# Altium PCB novena_evt1_a.PcbDoc (part 8 of 12) (continued)
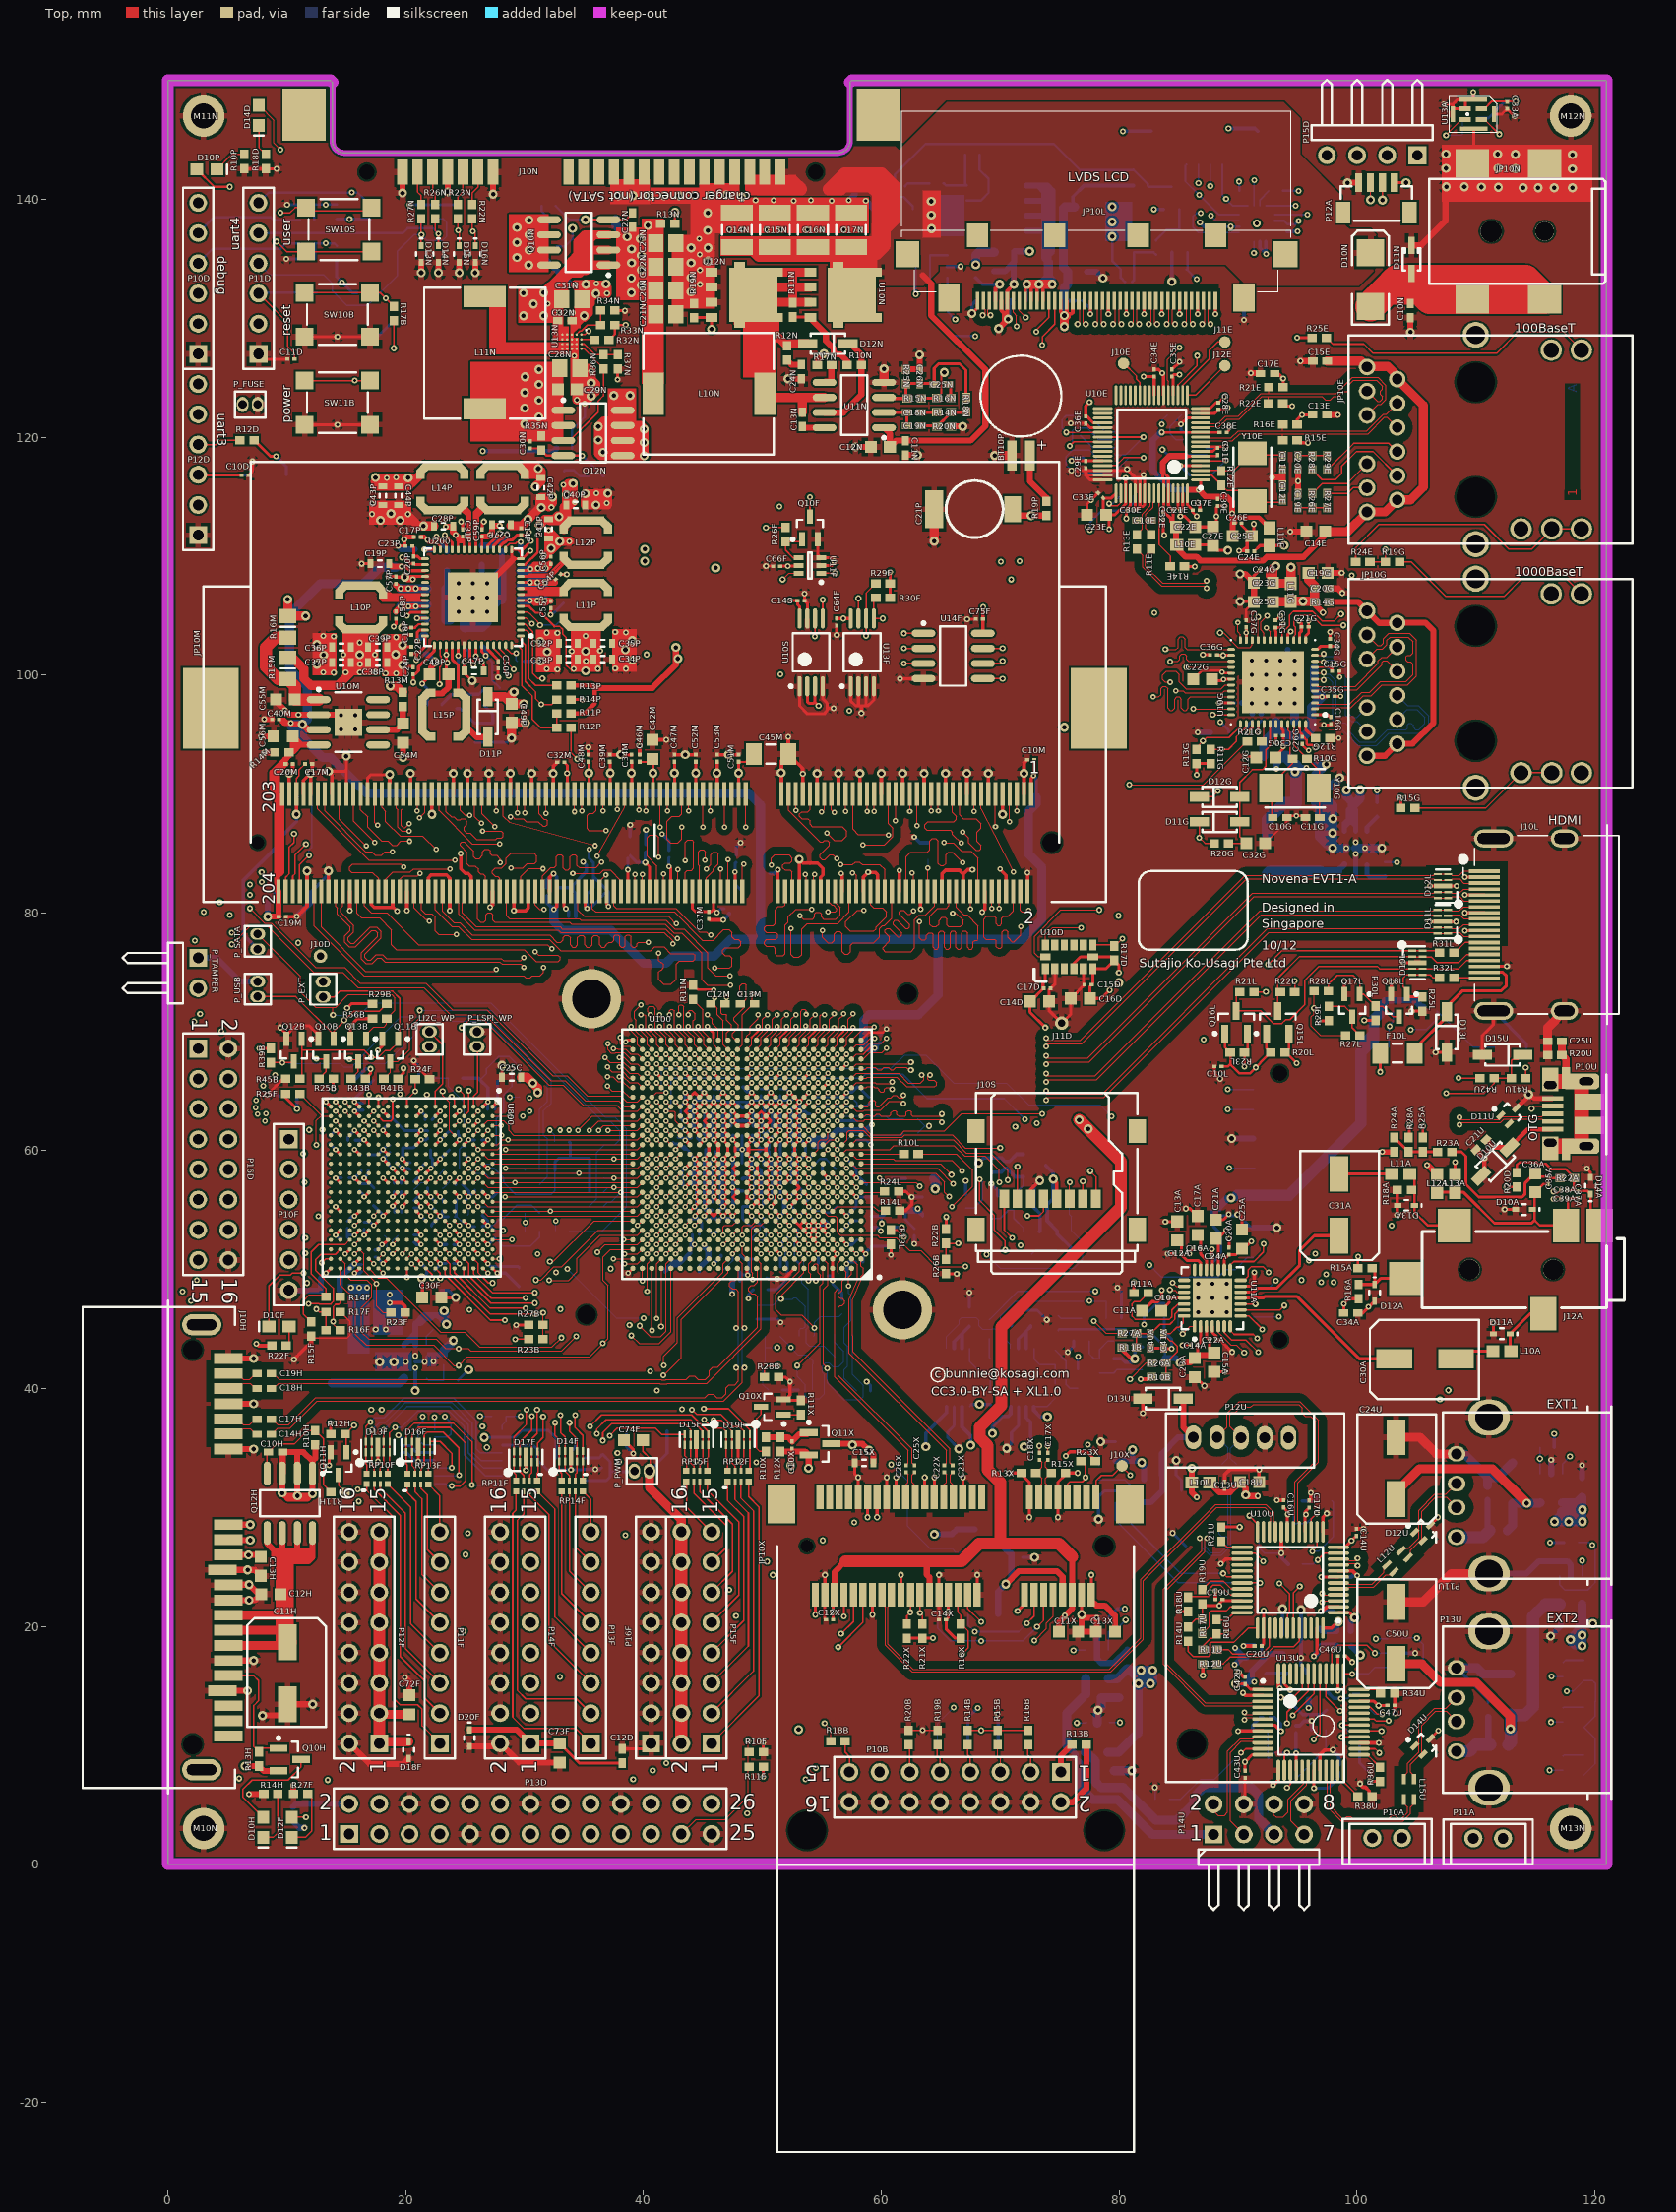
[diagram p0: Top view]
## Nets (pads, with @x,y where several pads share a name; then routed paths per layer and width w, separated by ;. In a path a pad name is that pad's centre, name@x,y a point inside that pad or via, vN(x,y) a via of type N, cw(c..) or ccw(c..) an arc to the next point about the centre after c; other vN are vias at no path point) (continued)
JTAG_JTCK: P10B.9 R19B.2 U100.H5 | length 92.4
  Top w0.102: U100.H5@55.1,55.7 v2(55.5,55.3)
  Top w0.127: R19B.2@64.75,10.05 64.7,10 64.7,9.1 64.94,8.86 P10B.9@64.94,7.75
  L4 w0.127: v2(55.5,55.3) 59.35,55.3 60.625,54.025 65.257,54.025 66.232,53.05 66.625,53.05 67.6,52.075 67.6,51.55 69.76,49.39 69.76,44.36 62.798,37.398 62.798,35.1 63.675,34.223 68.275,34.223 70.248,32.25 70.248,27.175 72.423,25 72.423,23 70.573,21.15 70.573,16.352 76.575,10.35 76.575,6.875 75.95,6.25 74.3,6.25 73.6,5.55 73.6,4.125 72.75,3.275 67.25,3.275 66.225,4.3 66.225,6.465 P10B.9@64.94,7.75
JTAG_JTDI: P10B.5 R15B.1 U100.G5 | length 77.1
  Top w0.102: U100.G5@55.1,54.9 55.5,54.5 56.15,54.5 56.3,54.35 56.3,53.125 56.525,52.9 59.675,52.9 59.875,52.7 61.275,52.7 62.375,51.6 63.325,51.6 64.675,50.25 v1(67.075,50.25) ; R15B.1@69.8,10.05 69.8,9.075 70.02,8.855 P10B.5@70.02,7.75
  L4 w0.102: v1(67.075,50.25) 69,48.325 69,44.675 62.038,37.713 62.038,34.785 63.36,33.463 67.96,33.463 69.488,31.935 69.488,26.86 71.663,24.685 71.663,23.315 69.813,21.465 69.813,16.037 73.8,12.05 73.8,7.4 73.15,6.75 71.02,6.75 P10B.5@70.02,7.75
JTAG_JTDO: P10B.13 U100.G6 | length 91.2
  Top w0.102: U100.G6@54.3,54.9 v2(54.7,54.5)
  L4 w0.127: v2(54.7,54.5) 55.375,54.5 57.175,52.7 61.275,52.7 62.25,51.725 66.775,51.725 69.337,49.163 69.337,44.535 62.375,37.573 62.375,34.925 63.5,33.8 68.1,33.8 69.825,32.075 69.825,27 72,24.825 72,23.175 70.15,21.325 70.15,16.177 76.225,10.102 76.225,6.875 75.975,6.625 73.825,6.625 73.625,6.425 67.125,6.425 66.3,7.25 66.3,8.15 65.425,9.025 61.135,9.025 P10B.13@59.86,7.75
JTAG_JTMS: P10B.7 R14B.1 U100.C3 | length 62.5
  Top w0.102: U100.C3@56.7,51.7 v2(57.1,51.3)
  Top w0.127: R14B.1@67.25,10.05 67.25,9.225 67.48,8.995 P10B.7@67.48,7.75
  L4 w0.127: v2(57.1,51.3) 57.825,50.575 63.95,50.575 65.875,48.65 67.562,48.65 68.262,47.95 68.262,44.981 61.3,38.019 61.3,33.675 69.05,25.925 69.05,17.575 67.48,16.005 P10B.7@67.48,7.75
JTAG_NRST: P10B.15 R18B.1 | length 2.8
  Top w0.127: R18B.1@56.95,10.35 56.95,9.425 57.32,9.055 P10B.15@57.32,7.75
JTAG_RTCK: P10B.11 R20B.2 | length 2.3
  Top w0.127: R20B.2@62.3,10.05 62.4,9.95 P10B.11@62.4,7.75
KEY_COL1: P16D.8 U100.U7 | length 162.6
  Top w0.102: U100.U7@53.5,62.9 v2(53.9,62.5)
  L4 w0.102: P16D.8@5.08,60.96 4.12,60 2.075,60 1.146,60.929 1.146,71.146 2.125,72.125 3.6,72.125 5.912,74.437 5.912,75.825 6.325,76.238 6.325,78.85 9.825,82.35 9.825,85.293 11.607,87.075 11.9,87.075 20.35,95.525 29.296,95.525 30.359,94.462 31.616,94.462 33.841,96.687 37.391,96.687 38.579,97.875 58.325,97.875 60.76,95.44 73.856,95.44 78.265,91.031 78.265,83.894 77.5,83.129 77.5,80.775 77.925,80.35 77.925,79.825 78.1,79.65 79.05,79.65 79.75,80.35 80.15,80.35 80.5,80 80.5,79.225 80.225,78.95 79.825,78.95 77.954,77.079 76.8,77.079 60.671,60.95 57.175,60.95 56.744,60.519 55.244,60.519 54.319,61.444 54.319,62.081 v2(53.9,62.5)
KEY_COL2: P16D.10 U100.W6 | length 139
  Top w0.102: U100.W6@54.3,64.5 v2(54.7,64.9)
  L4 w0.102: P16D.10@5.08,58.42 6.095,58.42 6.84,59.165 6.84,68.965 9.605,71.73 9.605,77.155 10.595,78.145 11.67,78.145 15.368,81.843 15.368,86.493 17.957,89.082 21.207,89.082 22.768,90.643 22.768,91.593 23.607,92.432 32.457,92.432 34.682,94.657 38.232,94.657 39.42,95.845 52.074,95.845 54.509,93.41 73.015,93.41 76.235,90.19 76.235,84.735 75.47,83.97 75.47,80.42 66.215,71.165 63.84,71.165 57.956,65.281 55.081,65.281 v2(54.7,64.9)
KEY_COL3: P16D.12 U100.U5 | length 155.3
  Top w0.102: U100.U5@55.1,62.9 v2(55.5,63.3)
  L4 w0.102: P16D.12@5.08,55.88 3.685,57.275 2.25,57.275 1.45,58.075 1.45,58.875 2.372,59.797 5.697,59.797 6.175,60.275 6.175,61.575 5.65,62.1 4.6,62.1 3.869,62.831 3.869,70.469 4.925,71.525 8.325,71.525 8.845,72.045 8.845,77.47 10.28,78.905 11.355,78.905 14.608,82.158 14.608,86.808 17.642,89.842 20.892,89.842 22.008,90.958 22.008,91.908 23.292,93.192 32.142,93.192 34.367,95.417 37.917,95.417 39.105,96.605 52.389,96.605 54.824,94.17 73.33,94.17 76.995,90.505 76.995,84.42 76.23,83.655 76.23,80.105 66.53,70.405 64.155,70.405 58.4,64.65 58.4,63.55 57.769,62.919 55.881,62.919 v2(55.5,63.3)
KEY_COL4: P16D.14 SW10S.1 SW10S.2 U100.T6 | length 239.8
  Top w0.102: U100.T6@54.3,62.1 v2(54.7,62.5)
  Top w0.127: v1(9.125,136.45) 9.975,135.6 SW10S.1@11.625,135.6 SW10S.2@17.125,135.6
  L4 w0.102: v1(2.7,71.5) 3.262,71.5 6.65,74.888 6.65,78.85 10.15,82.35 10.15,85.175 11.275,86.3 12.94,86.3 17.302,90.662 20.552,90.662 21.188,91.298 21.188,92.248 22.952,94.012 31.802,94.012 34.027,96.237 37.577,96.237 38.765,97.425 52.729,97.425 53.16,96.994 55.119,96.994 55.75,97.625 58.075,97.625 60.71,94.99 73.67,94.99 77.815,90.845 77.815,84.08 77.05,83.315 77.05,80.589 77.225,80.414 77.225,78.14 60.585,61.5 55.95,61.5 55.769,61.319 55.306,61.319 55.1,61.525 55.1,61.925 54.7,62.325 v2(54.7,62.5)
  L8 w0.127: P16D.14@5.08,53.34 3.77,54.65 1.925,54.65 1.175,55.4 1.175,69.625 1.625,70.075 2.375,70.075 2.7,70.4 v1(2.7,71.5) 2.7,71.525 2.375,71.85 2.15,71.85 1.175,72.825 1.175,78.875 1.65,79.35 1.65,109.375 1.075,109.95 1.075,125.125 1.95,126 3.675,126 4.85,127.175 4.85,134.525 6.139,135.814 8.489,135.814 v1(9.125,136.45)
KEY_ROW1: P16D.7 U100.U6 | length 146.1
  Top w0.102: U100.U6@54.3,62.9 v2(54.7,63.3)
  L4 w0.102: P16D.7@2.54,60.96 3.665,62.085 3.665,70.553 4.841,71.728 8.128,71.728 8.562,72.162 8.562,77.587 10.163,79.188 11.238,79.188 14.325,82.275 14.325,86.925 17.525,90.125 20.775,90.125 21.725,91.075 21.725,92.025 23.175,93.475 32.025,93.475 34.25,95.7 37.8,95.7 38.988,96.888 52.506,96.888 54.941,94.453 73.447,94.453 77.278,90.622 77.278,84.303 76.513,83.538 76.513,79.988 66.647,70.122 64.272,70.122 58.825,64.675 58.825,63.125 57.8,62.1 55.361,62.1 55.1,62.361 55.1,62.9 v2(54.7,63.3)
KEY_ROW2: P16D.9 U100.W4 | length 140.7
  Top w0.102: U100.W4@55.9,64.5 v2(56.3,64.9)
  L4 w0.102: P16D.9@2.54,58.42 3.62,59.5 5.95,59.5 6.575,60.125 6.575,69.075 9.34,71.84 9.34,77.265 10.485,78.41 11.56,78.41 15.103,81.953 15.103,86.603 17.847,89.347 21.097,89.347 22.503,90.753 22.503,91.703 23.497,92.697 32.347,92.697 34.572,94.922 38.122,94.922 39.31,96.11 52.184,96.11 54.619,93.675 73.125,93.675 76.5,90.3 76.5,84.625 75.735,83.86 75.735,80.31 66.325,70.9 63.95,70.9 57.569,64.519 56.681,64.519 v2(56.3,64.9)
KEY_ROW3: P16D.11 U100.T7 | length 174.9
  Top w0.102: U100.T7@53.5,62.1 v2(53.9,61.7)
  L4 w0.102: P16D.11@2.54,55.88 0.9,57.52 0.9,71.5 1.775,72.375 3.075,72.375 4.2,73.5 4.2,74.975 6.075,76.85 6.075,78.975 9.45,82.35 9.45,86.55 10.35,87.45 11.113,87.45 11.941,88.278 11.953,88.278 20.325,96.65 31.5,96.65 32.1,97.25 36.8,97.25 40.125,100.575 57.95,100.575 62.632,95.893 74.157,95.893 79.425,90.625 79.425,82.375 81.125,80.675 81.125,78.75 80.725,78.35 79.95,78.35 77.975,76.375 76.925,76.375 72.775,72.225 72.775,64.3 73.475,63.6 73.875,63.6 74.125,63.35 74.125,62.6 72.712,61.188 65.187,61.188 62.119,58.119 56.656,58.119 55.056,59.719 54.456,59.719 53.519,60.656 53.519,61.319 v2(53.9,61.7)
KEY_ROW4: P16D.13 SW10S.3 SW10S.4 U100.V5 | length 235.6
  Top w0.102: U100.V5@55.1,63.7 v2(55.5,64.1)
  Top w0.127: v1(9.475,138.875) 10.275,138.875 10.7,139.3 SW10S.3@11.625,139.3 11.9,139.025 16.85,139.025 SW10S.4@17.125,139.3
  L3 w0.102: v1(2.2,70.85) 3,70.05 v1(4.5,70.05)
  L4 w0.102: v1(4.5,70.05) 7.175,70.05 9.075,71.95 9.075,77.375 10.375,78.675 11.45,78.675 14.838,82.063 14.838,86.713 17.737,89.612 20.987,89.612 22.238,90.863 22.238,91.813 23.387,92.962 32.237,92.962 34.462,95.187 38.012,95.187 39.2,96.375 52.294,96.375 54.728,93.94 73.235,93.94 76.765,90.41 76.765,84.515 76,83.75 76,80.2 66.435,70.635 64.06,70.635 57.95,64.525 57.95,64.15 57.519,63.719 55.881,63.719 v2(55.5,64.1)
  L8 w0.127: v1@2.2,70.675 1.925,70.4 1.45,70.4 0.825,69.775 0.825,55.055 P16D.13@2.54,53.34 ; v1(2.2,70.85) 0.825,72.225 0.825,79.125 1.2,79.5 1.2,109.365 0.75,109.815 0.75,127.3 1.7,128.25 2.825,128.25 4.325,129.75 4.325,137.05 5.514,138.239 8.839,138.239 v1(9.475,138.875)
LCD_BL_ON: JP10L.35 U100.M3 | length 129.4
  Top w0.102: U100.M3@56.7,58.9 v2(57.1,58.5) ; JP10L.35@71.1,131.475 71.1,130.475 71.375,130.2 v1(71.375,129.325)
  L3 w0.102: v1(70.05,109.525) 70.625,110.1 70.625,120.074 74.1,123.549 74.1,128.675 73.45,129.325 v1(71.375,129.325)
  L4 w0.102: v2(57.1,58.5) 61.4,58.5 64.325,61.425 71.625,61.425 71.975,61.775 71.975,62.025 71.6,62.4 71.6,62.9 71.95,63.25 72.45,63.25 73.075,62.625 v1(73.075,62.3)
  L7 w0.127: v1@70.163,109.387 70.725,108.825 71.875,108.825 77.3,103.4 86.5,103.4 87.45,102.45 94.675,102.45 95.525,101.6 95.525,94.825 93.8,93.1 91.875,93.1 78.914,80.139 78.914,76.614 78.114,75.814 78.114,62.436 78.325,62.225 78.325,61.65 77.7,61.025 74.35,61.025 v1(73.075,62.3)
LCD_BL_VDD: C17L.1 C18L.1 JP10L.30 JP10L.31 JP10L.32 JP10L.33 Q11L.5 Q11L.6 Q11L.7 Q11L.8 | length 42.5
  Top w0.305: JP10L.33@72.1,131.475 72.1,132.7 v3(72.25,132.85) 72.6,132.5 JP10L.32@72.6,131.475 ; JP10L.31@73.1,131.475 73.1,132.675 v3(73.275,132.85) 73.6,132.525 JP10L.30@73.6,131.475
  Top w0.762: v3(72.25,132.85) v3(73.275,132.85) v3(74.375,132.85)
  Bot w0.305: C17L.1@72.2,131.475 72.2,132.8 v3(72.25,132.85)
  Bot w0.508: Q11L.8@72.2,137.345 73.725,137.345 ; Q11L.7@72.2,138.615 73.725,138.615 ; Q11L.6@72.2,139.885 73.725,139.885 ; Q11L.5@72.2,141.155 Q11L.5@73.175,141.155 ; Q11L.5@73.175,141.155 73.495,141.155 ; Q11L.5@73.175,141.155 73.725,140.605 73.725,139.885 ; 73.495,141.155 73.97,141.155 74.4,140.725 74.4,137.875 74.375,137.85 74.375,135.6 C18L.1@74.05,135.275 ; 73.495,141.155 74.05,140.6 74.05,139.825 ; 73.725,137.345 74.005,137.345 74.05,137.3 ; 73.725,137.345 73.725,138.615 ; 73.725,137.345 73.725,135.025 C18L.1@74.05,134.7 C18L.1@74.05,135.275 ; 73.725,138.615 74.035,138.615 74.05,138.6 ; 73.725,138.615 73.725,139.885 ; 73.725,139.885 73.99,139.885 74.05,139.825 ; C18L.1@74.05,135.275 74.05,137.3 ; 74.05,137.3 74.05,138.6 ; 74.05,138.6 74.05,139.825
  Bot w0.762: v3(72.25,132.85) v3(73.275,132.85) ; C18L.1@74.05,134.7 C18L.1@74.05,133.45 ; v3(74.375,132.85) v3@73.45,132.85 ; v3(73.275,132.85) v3@73.45,132.85 ; v3(73.275,132.85) 73.35,132.925 v3@73.525,132.925 ; v3@73.45,132.85 v3@73.525,132.925 ; v3@73.525,132.925 C18L.1@74.05,133.45 ; v3@73.525,132.925 74.325,132.925 74.325,133.175 C18L.1@74.05,133.45
LCD_PWR_CTL: Q12L.1 R18L.2 U100.M1 | length 137.2
  Top w0.102: U100.M1@58.3,58.9 64.975,58.9 v1(65.9,57.975)
  L3 w0.127: v1(71.625,109.575) 71.275,109.925 71.275,119.805 74.75,123.28 74.75,131.025 75.525,131.8 85.025,131.8 v1(86.525,133.3)
  L7 w0.127: v1(65.9,57.975) 65.9,58.325 67.35,59.775 67.65,59.775 68.825,60.95 70.675,60.95 71.025,60.6 77.775,60.6 78.775,61.6 78.775,62.575 78.45,62.9 78.45,75.675 79.25,76.475 79.25,80 92.014,92.764 93.939,92.764 95.861,94.686 95.861,101.739 94.814,102.786 87.589,102.786 86.639,103.736 77.439,103.736 v1@71.738,109.437
  Bot w0.203: Q12L.1@85.75,135.55 85.75,134.15 R18L.2@85.7,134.1 86.5,133.3 v1(86.525,133.3)
LCD_VCC_SW: C12L.1 C13L.1 JP10L.25 JP10L.26 JP10L.27 Q10L.5 Q10L.6 Q10L.7 Q10L.8 R17L.2 | length 24.6
  Top w0.305: JP10L.27@75.1,131.475 75.1,130.525 v3(75.4,130.225) v3@75.55,130.375 ; 75.4,129.7 75.8,130.1 75.8,130.375 ; JP10L.26@75.6,131.475 75.6,130.425 v3@75.55,130.375 ; JP10L.25@76.1,131.475 76.1,130.475 76,130.375 75.8,130.375 ; v3@75.55,130.375 75.8,130.375
  Top w0.762: v3(75.4,129.3) 75.4,129.7 v3(75.4,130.225)
  Bot w0.305: 75.4,131.4 75.475,131.475 C13L.1@76.3,131.475 ; Q10L.8@76.25,139.355 76.125,139.48 76.125,140.225 77.05,141.15 R17L.2@81.2,141.15
  Bot w0.762: v3(75.4,129.3) v3(75.4,130.225) 75.4,131.4 75.4,132.575 75.7,132.875 C12L.1@75.7,133.9 75.325,134.275 75.325,139.25 75.45,139.375 75.47,139.355 Q10L.8@76.25,139.355
LCD_XM: P14D.1 P15D.1 U11D.16 | length 30.4
  L3 w0.152: v1(86.725,140.375) 86.65,140.375 86,141.025 86,141.575 90.25,145.825 102.975,145.825 P15D.1@105.1,143.7
  Bot w0.152: P14D.1@85.675,142.925 85.575,142.825 85.575,141.525 v1(86.725,140.375) 88.4,138.7 U11D.16@90.1,138.7
LCD_XP: P14D.3 P15D.3 U11D.13 | length 27
  L3 w0.152: v1(87.675,141.125) 87.675,140.2 86.85,139.375 v1(86.85,138.825) 87.65,138.025 88.375,138.025 88.375,138.05 90.725,140.4 90.725,142.125 91.055,142.455 98.775,142.455 P15D.3@100.02,143.7
  Bot w0.152: v1(86.85,138.825) 86.5,138.825 86.225,138.55 86.225,137.65 86.675,137.2 U11D.13@90.1,137.2 ; v1(87.675,141.125) P14D.3@87.675,142.925
LCD_YM: P14D.4 P15D.4 U11D.1 | length 15.9
  L3 w0.152: v1(89,140.05) 89,141.325 91.375,143.7 P15D.4@97.48,143.7
  Bot w0.152: P14D.4@88.675,142.925 88.675,140.35 89.575,139.45 U11D.1@90.85,139.45
LCD_YP: P14D.2 P15D.2 U11D.15 | length 26.5
  L3 w0.152: v1(86.675,141.375) 87.025,141.725 87.65,141.725 ; v1(87.725,138.625) 87.725,139.1 88.325,139.7 88.325,141.4 88,141.725 87.65,141.725 ; P15D.2@102.56,143.7 100.96,145.3 90.55,145.3 87.65,142.4 87.65,141.725
  Bot w0.152: v1(86.675,141.375) P14D.2@86.675,142.925 ; v1(87.725,138.625) 88.15,138.2 U11D.15@90.1,138.2
LVDS0_CLK_N: JP10L.11 U100.V4 | length 83.6
  Top w0.083: U100.V4@55.9,63.7 v2(56.3,64.1) ; v1@83.003,129.512 JP10L.11@83.003,130.757
  L8 w0.089: v2(56.3,64.1) 56.705,63.695 57.175,63.695 57.97,63.695 58.558,64.283 59.237,64.962 59.638,65.363 60.258,65.983 60.542,66.267 61.092,66.817 62.35,68.075 63.757,68.075 73.475,77.793 73.475,83.7 72.955,84.22 72.955,88.338 73.75,89.133 73.75,95.005 73.223,95.533 72.306,95.533 71.972,95.866 71.972,96.304 72.306,96.638 73.223,96.638 73.75,97.165 73.75,104.533 83,113.783 v1@83,129.5
  other v1: 83.2,129.5
LVDS0_CLK_P: JP10L.12 U100.V3 | length 83.6
  Top w0.083: U100.V3@56.7,63.7 v2(57.1,64.1) ; v1@82.698,129.512 JP10L.12@82.698,130.757
  L8 w0.089: v2(57.1,64.1) 57.175,64.025 57.833,64.025 58.325,64.517 58.325,64.775 58.175,64.925 58.175,65.175 58.35,65.35 58.625,65.35 58.779,65.196 59.004,65.196 59.404,65.596 59.404,65.821 59.275,65.95 59.275,66.15 59.475,66.35 59.675,66.35 59.808,66.217 60.025,66.217 60.308,66.5 60.308,66.758 60.6,67.05 60.858,67.05 62.213,68.405 63.621,68.405 73.145,77.929 73.145,83.563 72.625,84.083 72.625,88.475 73.42,89.27 73.42,94.869 73.086,95.202 72.169,95.202 71.642,95.73 71.642,96.441 72.169,96.968 73.086,96.968 73.42,97.302 73.42,104.67 82.67,113.92 v1@82.67,129.5
  other v1: 82.5,129.5
LVDS0_TX_0_N: JP10L.2 U100.U2 | length 85.6
  Top w0.083: U100.U2@57.5,62.9 57.9,62.5 58.525,62.5 58.62,62.595 v1@65.1,62.595 ; v1@87.503,129.512 JP10L.2@87.503,130.757
  L8 w0.089: v1@65.075,62.595 65.612,62.595 68.705,65.688 68.705,66.157 79.28,76.732 79.28,103.664 87.525,111.909 v1@87.525,129.5
  other v1: 65.1,62.4 87.7,129.5
LVDS0_TX_0_P: JP10L.3 U100.U1 | length 85.6
  Top w0.083: U100.U1@58.3,62.9 58.6,62.9 58.75,63.05 58.95,63.05 59.1,62.9 59.425,62.9 59.6,63.075 59.825,63.075 60,62.9 60.7,62.9 60.825,63.025 60.825,63.2 61,63.375 61.175,63.375 61.325,63.225 61.325,63.025 61.45,62.9 62,62.9 62.1,63 62.1,63.225 62.25,63.375 62.425,63.375 62.55,63.25 62.55,63 62.65,62.9 v1@65.1,62.9 ; v1@87.198,129.512 JP10L.3@87.198,130.757
  L8 w0.089: v1@65.075,62.925 65.475,62.925 68.375,65.825 68.375,66.293 78.95,76.868 78.95,103.801 87.195,112.045 v1@87.195,129.5
  other v1: 65.1,63.075 87,129.5
LVDS0_TX_1_N: JP10L.5 U100.U4 | length 85.5
  Top w0.083: U100.U4@55.9,62.9 v2(56.3,63.3) ; v1@86.003,129.512 JP10L.5@86.003,130.757
  L8 w0.089: v2(56.3,63.3) 56.705,62.895 56.778,62.895 56.887,62.786 57.313,62.786 57.422,62.895 64.087,62.895 67.18,65.988 67.18,66.788 77.755,77.363 77.755,104.296 86,112.54 v1@86,129.5
  other v1: 86.2,129.5
LVDS0_TX_1_P: JP10L.6 U100.U3 | length 85.5
  Top w0.083: U100.U3@56.7,62.9 v2(57.1,63.3) ; v1@85.698,129.512 JP10L.6@85.698,130.757
  L8 w0.089: v2(57.1,63.3) 57.175,63.225 59.1,63.225 59.25,63.375 59.25,63.65 59.375,63.775 59.725,63.775 59.825,63.675 59.825,63.4 60,63.225 60.575,63.225 60.725,63.375 60.725,63.625 60.85,63.75 61.15,63.75 61.275,63.625 61.275,63.375 61.425,63.225 63.95,63.225 66.85,66.125 66.85,66.925 77.425,77.5 77.425,104.432 85.67,112.677 v1@85.67,129.5
  other v1: 85.5,129.5
LVDS0_TX_2_N: JP10L.8 U100.V2 | length 81.7
  Top w0.083: U100.V2@57.5,63.7 57.9,63.3 58.5,63.3 58.595,63.395 59.951,63.395 60.701,64.145 v1@61.85,64.145 ; v1@84.503,129.512 JP10L.8@84.503,130.757
  L8 w0.089: v1@61.825,64.15 63.225,64.15 65.8,66.725 65.8,67.494 76.28,77.974 76.28,104.907 84.525,113.151 v1@84.525,129.5
  other v1: 61.85,63.95 84.7,129.5
LVDS0_TX_2_P: JP10L.9 U100.V1 | length 81.7
  Top w0.083: U100.V1@58.3,63.7 58.85,63.7 58.975,63.825 58.975,64.125 59.1,64.25 59.4,64.25 59.525,64.125 59.525,63.8 59.625,63.7 59.825,63.7 60.575,64.45 60.825,64.45 61.025,64.65 61.25,64.65 61.45,64.45 v1@61.85,64.45 ; v1@84.198,129.512 JP10L.9@84.198,130.757
  L8 w0.089: v1@61.825,64.48 63.088,64.48 63.4,64.792 63.4,64.975 63.275,65.1 63.275,65.3 63.45,65.475 63.65,65.475 63.75,65.375 63.983,65.375 65.47,66.862 65.47,67.631 75.95,78.111 75.95,105.043 84.195,113.288 v1@84.195,129.5
  other v1: 61.85,64.675 84,129.5
LVDS1_CLK_N: JP10L.23 U100.Y3 | length 79.3
  Top w0.083: U100.Y3@56.7,65.3 v2(57.1,65.7) ; v1@77.003,129.512 JP10L.23@77.003,130.757
  L3 w0.089: v2(57.1,65.7) 57.027,65.7 56.851,65.876 56.851,66.001 56.95,66.1 60.417,66.1 62.337,68.02 62.987,68.02 63.6,68.633 77.25,82.283 77.25,91.826 77,92.076 77,97.03 76.473,97.558 75.556,97.558 75.222,97.891 75.222,98.329 75.556,98.663 76.473,98.663 77,99.19 v1@77,129.5
  other v1: 77.2,129.5
LVDS1_CLK_P: JP10L.24 U100.Y4 | length 79.3
  Top w0.083: U100.Y4@55.9,65.3 v2(56.3,65.7) ; v1@76.698,129.512 JP10L.24@76.698,130.757
  L3 w0.089: v2(56.3,65.7) v2@56.344,65.744 ; v2@56.42,65.744 56.42,66.162 56.688,66.43 60.28,66.43 62.2,68.35 62.85,68.35 76.92,82.42 76.92,91.689 76.67,91.939 76.67,96.894 76.336,97.227 75.419,97.227 74.892,97.755 74.892,98.466 75.419,98.993 76.336,98.993 76.67,99.327 v1@76.67,129.5
  other v1: 76.5,129.5
LVDS1_TX0_N: JP10L.14 U100.Y1 | length 81.3
  Top w0.083: U100.Y1@58.3,65.3 58.725,65.3 58.82,65.395 59.349,65.395 59.424,65.32 59.63,65.32 59.8,65.15 59.8,65.048 59.923,64.925 60.175,64.925 60.275,65.025 60.275,65.175 60.42,65.32 v1@60.875,65.32 ; v1@81.503,129.512 JP10L.14@81.503,130.757
  L3 w0.089: v1@61.075,65.295 62.188,65.295 63.013,64.47 65.945,64.47 81.775,80.3 81.775,93.7 81.525,93.95 v1@81.525,129.5
  other v1: 60.925,65.15 81.7,129.5
LVDS1_TX0_P: JP10L.15 U100.Y2 | length 81.3
  Top w0.083: U100.Y2@57.5,65.3 57.9,65.7 59.475,65.7 59.55,65.625 v1@60.875,65.625 ; v1@81.198,129.512 JP10L.15@81.198,130.757
  L3 w0.089: v1@61,65.7 61.075,65.625 62.325,65.625 63.15,64.8 65.808,64.8 81.445,80.437 81.445,93.563 81.195,93.813 v1@81.195,129.5
  other v1: 60.925,65.775 81,129.5
LVDS1_TX1_N: JP10L.17 U100.AA2 | length 81.1
  Top w0.083: U100.AA2@57.5,66.1 57.9,66.5 61.45,66.5 62.275,65.675 63.3,65.675 63.6,65.975 v1@63.6,66.35 ; v1@80.003,129.512 JP10L.17@80.003,130.757
  L3 w0.089: v1@63.575,66.35 63.575,65.675 63.98,65.27 64.623,65.27 80.275,80.921 80.275,93.079 80.025,93.329 v1@80.025,129.5
  other v1: 63.4,66.375 80.2,129.5
LVDS1_TX1_P: JP10L.18 U100.AA1 | length 81.1
  Top w0.083: U100.AA1@58.3,66.1 58.725,66.1 58.82,66.195 61.324,66.195 62.149,65.37 64.495,65.37 64.65,65.525 64.65,65.725 64.45,65.925 63.98,65.925 63.905,66 v1@63.905,66.35 ; v1@79.698,129.512 JP10L.18@79.698,130.757
  L3 w0.089: v1@63.905,66.35 63.905,65.812 64.117,65.6 64.487,65.6 79.945,81.058 79.945,92.942 79.695,93.192 v1@79.695,129.5
  other v1: 64.1,66.375 79.5,129.5
LVDS1_TX2_N: JP10L.20 U100.AB1 | length 80.6
  Top w0.083: U100.AB1@58.3,66.9 58.375,66.825 58.65,66.825 58.82,66.995 59.5,66.995 59.695,66.8 60.03,66.8 60.225,66.995 60.605,66.995 60.8,66.8 61.03,66.8 61.225,66.995 62.1,66.995 62.17,66.925 v1@62.475,66.925 ; v1@78.503,129.512 JP10L.20@78.503,130.757
  L3 w0.089: v1@62.5,66.97 64.202,66.97 65.746,68.514 ccw(c65.63,68.631) 65.795,68.631 ccw(c65.63,68.631) 65.746,68.748 cw(c65.899,68.9) 65.746,69.052 66.043,69.349 cw(c66.195,69.196) 66.348,69.349 ccw(c66.734,69.735) 67.12,69.349 67.417,69.645 ccw(c67.03,70.032) 67.577,70.032 ccw(c67.03,70.032) 67.417,70.418 cw(c67.569,70.57) 67.416,70.723 67.713,71.02 cw(c67.866,70.867) 68.018,71.019 ccw(c68.404,71.406) 68.791,71.019 69.087,71.316 ccw(c68.701,71.702) 69.247,71.702 ccw(c68.701,71.702) 69.087,72.088 cw(c69.24,72.241) 69.087,72.393 69.384,72.69 ; 69.384,72.69 cw(c69.536,72.537) 69.689,72.69 ccw(c70.075,73.076) 70.461,72.69 70.757,72.986 ccw(c70.371,73.372) 70.917,73.372 ccw(c70.371,73.372) 70.757,73.758 cw(c70.91,73.911) 70.757,74.063 71.054,74.36 cw(c71.206,74.207) 71.359,74.36 ccw(c71.745,74.746) 72.131,74.36 72.428,74.656 ccw(c72.041,75.043) 72.588,75.043 ccw(c72.041,75.043) 72.428,75.429 cw(c72.58,75.581) 72.427,75.734 72.724,76.031 ; 72.724,76.031 cw(c72.877,75.878) 73.029,76.03 ccw(c73.415,76.417) 73.802,76.03 74.098,76.327 ccw(c73.712,76.713) 74.258,76.713 ccw(c73.712,76.713) 74.197,76.964 78.775,81.543 78.775,92.457 78.525,92.707 v1@78.525,129.525
  other v1: 62.5,66.775 78.7,129.5
LVDS1_TX2_P: JP10L.21 U100.AB2 | length 80.6
  Top w0.083: U100.AB2@57.5,66.9 57.9,67.3 v1@62.5,67.3 ; v1@78.198,129.512 JP10L.21@78.198,130.757
  L3 w0.089: v1@62.5,67.3 64.065,67.3 65.414,68.649 cw(c65.899,68.9) 65.513,69.286 65.809,69.583 cw(c66.195,69.196) 66.581,69.583 ccw(c66.734,69.735) 66.886,69.582 67.183,69.879 ccw(c67.03,70.032) 67.246,70.032 ccw(c67.03,70.032) 67.183,70.184 cw(c67.569,70.57) 67.183,70.957 67.479,71.253 cw(c67.866,70.867) 68.252,71.253 ccw(c68.404,71.406) 68.557,71.252 ; 68.557,71.253 68.854,71.549 ccw(c68.701,71.702) 68.917,71.702 ccw(c68.701,71.702) 68.853,71.855 cw(c69.24,72.241) 68.853,72.627 69.15,72.923 cw(c69.536,72.537) 69.922,72.923 ccw(c70.075,73.076) 70.227,72.923 70.524,73.22 ccw(c70.371,73.372) 70.587,73.372 ccw(c70.371,73.372) 70.524,73.525 cw(c70.91,73.911) 70.524,74.297 70.82,74.594 cw(c71.206,74.207) 71.592,74.594 ccw(c71.745,74.746) 71.897,74.593 ; 71.897,74.593 72.194,74.89 ccw(c72.041,75.043) 72.257,75.043 ccw(c72.041,75.043) 72.194,75.195 cw(c72.58,75.581) 72.194,75.968 72.49,76.264 cw(c72.877,75.878) 73.263,76.264 ccw(c73.415,76.417) 73.568,76.263 73.865,76.56 ccw(c73.712,76.713) 73.928,76.713 ccw(c73.712,76.713) 73.864,76.866 cw(c73.981,76.982) 73.864,77.099 78.445,81.679 78.445,92.321 78.195,92.571 v1@78.195,129.525
  other v1: 62.5,67.425 78,129.5
MIC_CABLE: C37A.1 C38A.2 D14A.1 J12A.4 R20D.2 R22A.1 | length 12
  Top w0.203: R20D.2@113.45,58.15 113.45,58.775 113.7,59.025 115.05,59.025 115.175,58.9 115.875,58.9 116.325,58.45 117.55,58.45 R22A.1@118.3,57.7 118.25,57.65 118.25,56.675 ; C38A.2@117.75,56.7 117.775,56.675 118.25,56.675 ; J12A.4@120.297,53.803 119.65,54.45 D14A.1@119.65,56.35 119.4,56.6 C37A.1@118.6,56.6 118.525,56.675 118.25,56.675
MIC_DIFF_N: C39A.1 U11A.23 | length 42
  Top w0.083: v1(84.5,48.9) 84.8,48.6 U11A.23@85.475,48.6 ; v1@116.525,56.125 116.975,56.125 C39A.1@117.15,55.95
  L7 w0.089: v1@84.433,48.758 83.88,49.312 83.88,49.613 84.537,50.27 88.437,50.27 90.255,52.088 90.255,52.688 94.387,56.82 101.762,56.82 104.487,59.545 106.538,59.545 107.095,58.988 107.095,58.038 109.063,56.07 115.605,56.07 115.75,55.925 v1(116.525,55.925)
MIC_DIFF_P: C38A.1 U11A.24 | length 43.2
  Top w0.083: v1(84.275,48.3) 84.325,48.25 84.725,48.25 84.875,48.1 U11A.24@85.475,48.1 ; v1@116.525,56.45 116.9,56.45 C38A.1@117.15,56.7
  L7 w0.089: v1@84.25,48.475 83.55,49.175 83.55,49.75 84.4,50.6 88.3,50.6 89.925,52.225 89.925,52.825 94.25,57.15 101.625,57.15 104.35,59.875 106.675,59.875 107.425,59.125 107.425,58.175 109.2,56.4 115.65,56.4 115.825,56.575 v1(116.525,56.575)
MIC_ISO: R20D.1 U11D.11 | length 95.4
  Top w0.203: v1(112.575,56.95) R20D.1@113.45,56.95
  L4 w0.152: v1(91.35,135.475) 91.35,133.375 93.95,130.775 104.625,130.775 107.7,127.7 107.7,71.459 112.575,66.584 v1(112.575,56.95)
  Bot w0.152: v1(91.35,135.475) U11D.11@91.35,136.45
MPCIE_3.3V: C13X.1 C14X.1 C15X.1 D10X.1 D11X.1 D12X.1 JP10X.2 JP10X.24 JP10X.39 JP10X.41 JP10X.52 Q11X.3 R16X.1 R23X.2 | length 116.5
  Top w0.254: v1(54.45,20.975) JP10X.52@54.45,22.65 ; v1(58.85,29.175) JP10X.41@58.85,30.85 ; v1(59.65,29.175) JP10X.39@59.65,30.85 ; JP10X.24@65.645,22.925 v1(65.645,21.25) 65.645,20.745 C14X.1@65.45,20.55 65.45,19.775 66.225,19 R16X.1@66.7,19 ; v1@75.5,34.325 v1(75.525,34.325) 75.875,34.675 77.3,34.675 78,33.975 R23X.2@78,33.875 ; JP10X.2@77.66,22.65 v1(77.66,24.325)
  Top w0.508: Q11X.3@55.8,35.35 58.425,35.35 59.35,34.425 C15X.1@59.35,33.75 ; JP10X.2@77.655,22.65 77.655,22.195 78.1,21.75 78.8,21.75 79.65,20.9 C13X.1@79.65,19.55
  L7 w0.127: v1(54.45,20.975) 55.425,20 57.05,20 57.6,19.45 57.6,15.325 62.65,10.275 81.396,10.275 84.571,7.1 91.009,7.1 92.009,8.1 97.35,8.1 101.275,4.175 113.4,4.175 114.75,5.525 114.75,11.65 v1(117.65,14.55)
  Bot w0.127: v1(117.65,14.55) 118.2,14.55 D12X.1@119.1,15.45 119.8,15.45 120.075,15.175 120.075,13.7 120.05,13.675 120.05,12.45 D10X.1@119.1,11.5 120.05,10.55 120.05,8.45 D11X.1@119.1,7.5
  other v3: 58.975,34.8 57.575,35.25
NetBT10P_1: BT10P.1 R19P.1 | length 4.4
  Top w0.508: BT10P.1@72.5,118.45 72.5,116.3 73.9,114.9 R19P.1@73.9,114.6
NetC10A_2: C10A.2 C11A.1 U11A.25 | length 2.7
  Top w0.254: C11A.1@83.55,46.55 84.2,47.2 C10A.2@84.2,47.65 84.25,47.6 U11A.25@85.475,47.6
NetC10D_1: C10D.1 D11D.2 P12D.3 | length 7.7
  Top w0.203: P12D.3@2.54,116.84 2.58,116.8 C10D.1@6.2,116.8
  Bot w0.127: P12D.3@2.54,116.84 P12D.3@2.58,116.8
  Bot w0.203: P12D.3@2.58,116.8 D11D.2@6.55,116.8
NetC10G_2: C10G.2 R10G.1 U10G.45 Y10G.2 | length 8.7
  Top w0.127: C10G.2@92.95,88.15 92.85,88.25 92.85,90.6 92.85,90.825 94.6,92.575 94.6,93 94.375,93.225 94.375,95.2 94.2,95.375 U10G.45@94.2,95.875
NetC10H_2: C10H.2 Q12H.4 R10H.1 R11H.1 | length 12.2
  Top w0.127: Q12H.4@8.345,32.85 8.345,34.545 C10H.2@8.45,34.65 9.125,35.325 10.625,35.325 11.75,36.45 R10H.1@12.4,36.45 13.1,35.75 13.1,31.9 R11H.1@13.7,31.3
NetC10S_1: C10S.1 Q11S.1 R10S.2 R12S.1 | length 4.9
  Bot w0.127: R10S.2@71.15,56.2 71.15,56.275 71.95,57.075 Q11S.1@71.95,57.8
  Bot w0.305: R12S.1@69.35,58.2 70.1,58.2 C10S.1@70.4,58.5 70.575,58.5 71.275,57.8 Q11S.1@71.95,57.8
NetC10U_1: C10U.1 R10U.2 U10U.47 | length 4.9
  Top w0.305: v1(96.375,17.475) 96.65,17.75 U10U.47@96.65,19.85
  Bot w0.508: v1(96.375,17.475) 96.9,18 C10U.1@96.9,18.25 97.05,18.4 R10U.2@98.3,18.4
NetC10X_1: C10X.1 Q11X.1 R10X.1 R12X.1 | length 4.1
  Top w0.508: R10X.1@50.3,35.9 R12X.1@51.5,35.9 52.15,35.9 C10X.1@52.5,35.55 53.1,36.15 53.75,36.15 Q11X.1@53.9,36.3
NetC11D_1: C11D.1 D10D.2 P11D.3 | length 11.7
  Top w0.127: P11D.3@7.62,132.08 10.05,129.65 10.05,127.65 10.65,127.05 C11D.1@10.65,126.55
  Bot w0.203: P11D.3@7.62,132.08 7.69,132.15 D10D.2@12.5,132.15
NetC11G_2: C11G.2 R10G.2 U10G.46 Y10G.1 | length 8.6
  Top w0.127: U10G.46@94.7,95.875 94.7,94.1 95.8,93 96.85,91.95 96.85,90.6 96.85,88.2 C11G.2@96.9,88.15
NetC11U_1: C11U.1 R13U.2 U10U.48 | length 3.9
  Top w0.305: U10U.48@97.15,19.85 97.875,19.85 98.425,20.4 v3(98.45,20.4)
  Bot w0.305: R13U.2@98.3,19.6 98.375,19.675 98.375,20.325 v3(98.45,20.4)
  Bot w0.508: C11U.1@96.9,19.8 97.1,19.6 R13U.2@98.3,19.6
NetC13E_2: C13E.2 R15E.2 R16E.2 | length 5.4
  Top w0.254: R15E.2@94.975,119.725 95.175,119.525 v1(95.9,119.525) ; R16E.2@94.975,121.075 94.975,121.475 v1(95.375,121.875) C13E.2@96.275,121.875
  L3 w0.254: v1(95.375,121.875) 95.375,120.05 v1(95.9,119.525)
NetC14L_2: C14L.2 Q10L.4 R11L.1 R15L.1 | length 4.5
  Bot w0.203: C14L.2@81.1,133.05 81.25,133.2 Q10L.4@81.25,135.545 82.905,135.545 R15L.1@83.1,135.35
NetC17E_1: C17E.1 R21E.1 R22E.1 | length 5.1
  Top w0.254: C17E.1@93.1,125.35 93.375,125.35 v1(93.8,124.925) R21E.1@93.8,124.2 ; R22E.1@93.775,122.85 94.025,122.6 v1(94.55,122.6)
  L3 w0.254: v1(93.8,124.925) 94.55,124.175 v1(94.55,122.6)
NetC18N_2: C18N.2 R14N.2 | length 1.3
  Top w0.254: C18N.2@63.35,122.075 R14N.2@64.675,122.075
NetC19A_2: C19A.2 U10A.2 U10A.3 | length 3.7
  Bot w0.305: U10A.2@71.533,43.374 71.533,44.158 C19A.2@72.183,44.808 ; U10A.3@72.183,43.374 C19A.2@72.183,44.808 ; C19A.2@72.55,45.25 72.55,45.175 C19A.2@72.183,44.808
NetC19E_1: C19E.1 R26E.1 R27E.1 | length 2.4
  Top w0.127: C19E.1@95.05,114.05 R26E.1@96.25,114.05 R27E.1@97.5,114.05
NetC19L_2: C19L.2 Q11L.4 R16L.1 R19L.1 | length 4.7
  Bot w0.203: R19L.1@65.25,141.35 65.445,141.155 Q11L.4@67.2,141.155 67.05,141.305 C19L.2@67.05,143.75
NetC19N_2: C19N.2 R14N.1 R18N.1 R20N.2 | length 4.3
  Top w0.254: C19N.2@63.35,120.95 64.625,120.95 R20N.2@64.675,120.9 64.7,120.9 R14N.1@65.875,122.075 67.075,122.075 R18N.1@67.125,122.125
NetC20E_1: C20E.1 R28E.1 R29E.1 | length 2.5
  Top w0.127: C20E.1@95.05,118.45 R28E.1@96.25,118.45 R29E.1@97.5,118.45